# Altium PCB PCB2.PcbDoc (part 2 of 16) (continued)
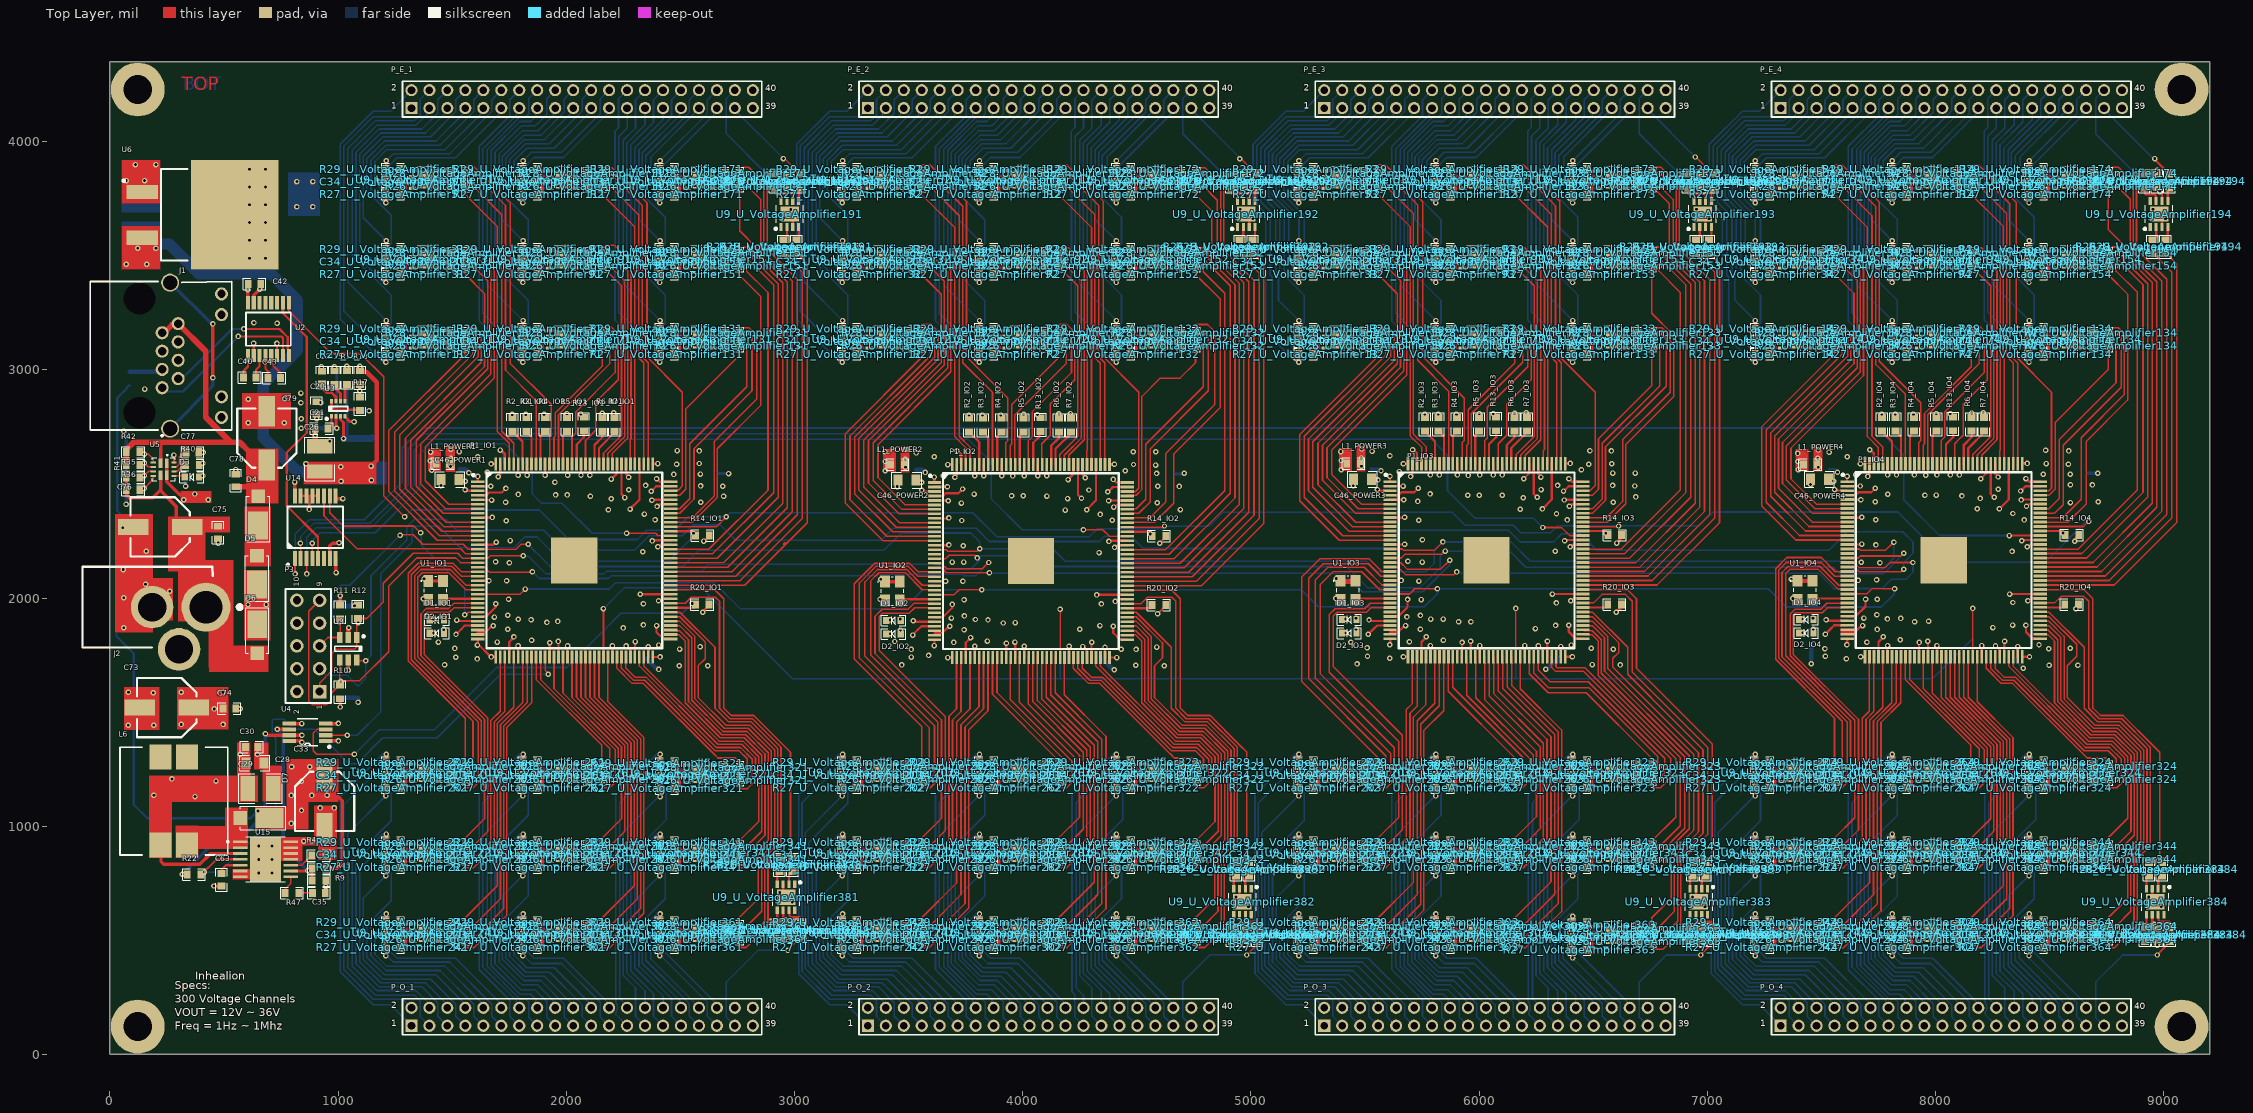
[diagram p0: Top Layer view]
## Classes and differential pairs (continued)
component class Power_ORing: C73 C74 C75 C76 C77 C78 C79 D3 D4 D5 D6 J2 R35 R36 R37 R38 R39 R40 R41 R42 R43 R44 U5
channel class VoltageAmplifier: U_VoltageAmplifier11 U_VoltageAmplifier12 U_VoltageAmplifier13 U_VoltageAmplifier14 U_VoltageAmplifier21 U_VoltageAmplifier22 U_VoltageAmplifier23 U_VoltageAmplifier24 U_VoltageAmplifier31 U_VoltageAmplifier32 U_VoltageAmplifier33 U_VoltageAmplifier34 U_VoltageAmplifier41 U_VoltageAmplifier42 U_VoltageAmplifier43 U_VoltageAmplifier44 U_VoltageAmplifier51 U_VoltageAmplifier52 U_VoltageAmplifier53 U_VoltageAmplifier54 U_VoltageAmplifier61 U_VoltageAmplifier62 U_VoltageAmplifier63 U_VoltageAmplifier64 U_VoltageAmplifier71 U_VoltageAmplifier72 U_VoltageAmplifier73 U_VoltageAmplifier74 U_VoltageAmplifier81 U_VoltageAmplifier82 U_VoltageAmplifier83 U_VoltageAmplifier84 U_VoltageAmplifier91 U_VoltageAmplifier92 U_VoltageAmplifier93 U_VoltageAmplifier94 U_VoltageAmplifier101 U_VoltageAmplifier102 U_VoltageAmplifier103 U_VoltageAmplifier104 U_VoltageAmplifier111 U_VoltageAmplifier112 U_VoltageAmplifier113 U_VoltageAmplifier114 U_VoltageAmplifier121 U_VoltageAmplifier122 U_VoltageAmplifier123 U_VoltageAmplifier124 U_VoltageAmplifier131 U_VoltageAmplifier132 U_VoltageAmplifier133 U_VoltageAmplifier134 U_VoltageAmplifier141 U_VoltageAmplifier142 U_VoltageAmplifier143 U_VoltageAmplifier144 U_VoltageAmplifier151 U_VoltageAmplifier152 U_VoltageAmplifier153 U_VoltageAmplifier154 U_VoltageAmplifier161 U_VoltageAmplifier162 U_VoltageAmplifier163 U_VoltageAmplifier164 U_VoltageAmplifier171 U_VoltageAmplifier172 U_VoltageAmplifier173 U_VoltageAmplifier174 U_VoltageAmplifier181 U_VoltageAmplifier182 U_VoltageAmplifier183 U_VoltageAmplifier184 U_VoltageAmplifier191 U_VoltageAmplifier192 U_VoltageAmplifier193 U_VoltageAmplifier194 U_VoltageAmplifier201 U_VoltageAmplifier202 U_VoltageAmplifier203 U_VoltageAmplifier204 U_VoltageAmplifier211 U_VoltageAmplifier212 U_VoltageAmplifier213 U_VoltageAmplifier214 U_VoltageAmplifier221 U_VoltageAmplifier222 U_VoltageAmplifier223 U_VoltageAmplifier224 U_VoltageAmplifier231 U_VoltageAmplifier232 U_VoltageAmplifier233 U_VoltageAmplifier234 U_VoltageAmplifier241 U_VoltageAmplifier242 U_VoltageAmplifier243 U_VoltageAmplifier244 U_VoltageAmplifier251 U_VoltageAmplifier252 U_VoltageAmplifier253 U_VoltageAmplifier254 U_VoltageAmplifier261 U_VoltageAmplifier262 U_VoltageAmplifier263 U_VoltageAmplifier264 U_VoltageAmplifier271 U_VoltageAmplifier272 U_VoltageAmplifier273 U_VoltageAmplifier274 U_VoltageAmplifier281 U_VoltageAmplifier282 U_VoltageAmplifier283 U_VoltageAmplifier284 U_VoltageAmplifier291 U_VoltageAmplifier292 U_VoltageAmplifier293 U_VoltageAmplifier294 U_VoltageAmplifier301 U_VoltageAmplifier302 U_VoltageAmplifier303 U_VoltageAmplifier304 U_VoltageAmplifier311 U_VoltageAmplifier312 U_VoltageAmplifier313 U_VoltageAmplifier314 U_VoltageAmplifier321 U_VoltageAmplifier322 U_VoltageAmplifier323 U_VoltageAmplifier324 U_VoltageAmplifier331 U_VoltageAmplifier332 U_VoltageAmplifier333 U_VoltageAmplifier334 U_VoltageAmplifier341 U_VoltageAmplifier342 U_VoltageAmplifier343 U_VoltageAmplifier344 U_VoltageAmplifier351 U_VoltageAmplifier352 U_VoltageAmplifier353 U_VoltageAmplifier354 U_VoltageAmplifier361 U_VoltageAmplifier362 U_VoltageAmplifier363 U_VoltageAmplifier364 U_VoltageAmplifier371 U_VoltageAmplifier372 U_VoltageAmplifier373 U_VoltageAmplifier374 U_VoltageAmplifier381 U_VoltageAmplifier382 U_VoltageAmplifier383 U_VoltageAmplifier384
channel class FPGA_POWER: POWER1 POWER2 POWER3 POWER4
channel class FPGA_IO: IO1 IO2 IO3 IO4
component class U_VoltageHeaders: P_E_1 P_E_2 P_E_3 P_E_4 P_O_1 P_O_2 P_O_3 P_O_4
component class U_POWER_VOLTAGE: C8 C14 C18 C19 C20 C21 C22 C25 C26 C27 C28 C29 C30 C31 C32 C33 C35 C63 D7 L4 L6 R9 R15 R16 R17 R18 R19 R22 R45 R46 R47 R48 R49 U3 U4 U6 U15
component class TOP_VOLTAGE: C36 C37 C38 C39 C40 C41 C42 C43 C44 J1 P3 R10 R11 R12 R23 R24 R25 R30 R31 R32 R33 R34 U2 U8 U14
component class POWER4: C2_POWER4 C3_POWER4 C4_POWER4 C5_POWER4 C6_POWER4 C7_POWER4 C9_POWER4 C10_POWER4 C11_POWER4 C12_POWER4 C13_POWER4 C15_POWER4 C16_POWER4 C17_POWER4 C23_POWER4 C24_POWER4 C45_POWER4 C46_POWER4 C47_POWER4 C48_POWER4 C49_POWER4 C51_POWER4 C52_POWER4 C53_POWER4 C54_POWER4 C55_POWER4 C56_POWER4 C57_POWER4 C58_POWER4 C59_POWER4 C60_POWER4 C61_POWER4 C62_POWER4 C64_POWER4 C65_POWER4 C66_POWER4 C67_POWER4 C68_POWER4 C69_POWER4 C70_POWER4 C71_POWER4 C72_POWER4 L1_POWER4 L3_POWER4
component class POWER3: C2_POWER3 C3_POWER3 C4_POWER3 C5_POWER3 C6_POWER3 C7_POWER3 C9_POWER3 C10_POWER3 C11_POWER3 C12_POWER3 C13_POWER3 C15_POWER3 C16_POWER3 C17_POWER3 C23_POWER3 C24_POWER3 C45_POWER3 C46_POWER3 C47_POWER3 C48_POWER3 C49_POWER3 C51_POWER3 C52_POWER3 C53_POWER3 C54_POWER3 C55_POWER3 C56_POWER3 C57_POWER3 C58_POWER3 C59_POWER3 C60_POWER3 C61_POWER3 C62_POWER3 C64_POWER3 C65_POWER3 C66_POWER3 C67_POWER3 C68_POWER3 C69_POWER3 C70_POWER3 C71_POWER3 C72_POWER3 L1_POWER3 L3_POWER3
component class POWER2: C2_POWER2 C3_POWER2 C4_POWER2 C5_POWER2 C6_POWER2 C7_POWER2 C9_POWER2 C10_POWER2 C11_POWER2 C12_POWER2 C13_POWER2 C15_POWER2 C16_POWER2 C17_POWER2 C23_POWER2 C24_POWER2 C45_POWER2 C46_POWER2 C47_POWER2 C48_POWER2 C49_POWER2 C51_POWER2 C52_POWER2 C53_POWER2 C54_POWER2 C55_POWER2 C56_POWER2 C57_POWER2 C58_POWER2 C59_POWER2 C60_POWER2 C61_POWER2 C62_POWER2 C64_POWER2 C65_POWER2 C66_POWER2 C67_POWER2 C68_POWER2 C69_POWER2 C70_POWER2 C71_POWER2 C72_POWER2 L1_POWER2 L3_POWER2
component class POWER1: C2_POWER1 C3_POWER1 C4_POWER1 C5_POWER1 C6_POWER1 C7_POWER1 C9_POWER1 C10_POWER1 C11_POWER1 C12_POWER1 C13_POWER1 C15_POWER1 C16_POWER1 C17_POWER1 C23_POWER1 C24_POWER1 C45_POWER1 C46_POWER1 C47_POWER1 C48_POWER1 C49_POWER1 C51_POWER1 C52_POWER1 C53_POWER1 C54_POWER1 C55_POWER1 C56_POWER1 C57_POWER1 C58_POWER1 C59_POWER1 C60_POWER1 C61_POWER1 C62_POWER1 C64_POWER1 C65_POWER1 C66_POWER1 C67_POWER1 C68_POWER1 C69_POWER1 C70_POWER1 C71_POWER1 C72_POWER1 L1_POWER1 L3_POWER1
component class IO4: C1_IO4 D1_IO4 D2_IO4 P1_IO4 R1_IO4 R2_IO4 R3_IO4 R4_IO4 R5_IO4 R6_IO4 R7_IO4 R8_IO4 R13_IO4 R14_IO4 R20_IO4 R21_IO4 U1_IO4
component class IO3: C1_IO3 D1_IO3 D2_IO3 P1_IO3 R1_IO3 R2_IO3 R3_IO3 R4_IO3 R5_IO3 R6_IO3 R7_IO3 R8_IO3 R13_IO3 R14_IO3 R20_IO3 R21_IO3 U1_IO3
component class IO2: C1_IO2 D1_IO2 D2_IO2 P1_IO2 R1_IO2 R2_IO2 R3_IO2 R4_IO2 R5_IO2 R6_IO2 R7_IO2 R8_IO2 R13_IO2 R14_IO2 R20_IO2 R21_IO2 U1_IO2
component class IO1: C1_IO1 D1_IO1 D2_IO1 P1_IO1 R1_IO1 R2_IO1 R3_IO1 R4_IO1 R5_IO1 R6_IO1 R7_IO1 R8_IO1 R13_IO1 R14_IO1 R20_IO1 R21_IO1 U1_IO1

## Components (designator, comment, footprint, x,y, rotation, side; value= is the part's Value field where it differs from the comment)
C1_IO1 "0.1uF/16V" 0603C 1371.46,2039.85 r90 bottom (schematic designator C1)
C1_IO2 "0.1uF/16V" 0603C 3372.56,2037.25 r90 bottom (schematic designator C1)
C1_IO3 "0.1uF/16V" 0603C 5369.46,2040.7 r90 bottom (schematic designator C1)
C1_IO4 "0.1uF/16V" 0603C 7372.46,2040.85 r90 bottom (schematic designator C1)
C2_POWER1 "0.01uF/16V" 0603C 1504.46,2564.29 r0 bottom (schematic designator C2)
C2_POWER2 "0.01uF/16V" 0603C 3505.56,2561.69 r0 bottom (schematic designator C2)
C2_POWER3 "0.01uF/16V" 0603C 5502.46,2565.14 r0 bottom (schematic designator C2)
C2_POWER4 "0.01uF/16V" 0603C 7505.46,2565.29 r0 bottom (schematic designator C2)
C3_POWER1 "0.01uF/16V" 0603C 2274.46,2520.85 r270 bottom (schematic designator C3)
C3_POWER2 "0.01uF/16V" 0603C 4275.56,2518.25 r270 bottom (schematic designator C3)
C3_POWER3 "0.01uF/16V" 0603C 6272.46,2521.7 r270 bottom (schematic designator C3)
C3_POWER4 "0.01uF/16V" 0603C 8275.46,2521.85 r270 bottom (schematic designator C3)
C4_POWER1 "0.1uF/16V" 0603C 2530.46,2644.29 r0 bottom (schematic designator C4)
C4_POWER2 "0.1uF/16V" 0603C 4531.56,2641.69 r0 bottom (schematic designator C4)
C4_POWER3 "0.1uF/16V" 0603C 6528.46,2645.14 r0 bottom (schematic designator C4)
C4_POWER4 "0.1uF/16V" 0603C 8531.46,2645.29 r0 bottom (schematic designator C4)
C5_POWER1 "0.1uF/16V" 0603C 1504.46,2619.29 r0 bottom (schematic designator C5)
C5_POWER2 "0.1uF/16V" 0603C 3505.56,2616.69 r0 bottom (schematic designator C5)
C5_POWER3 "0.1uF/16V" 0603C 5502.46,2620.14 r0 bottom (schematic designator C5)
C5_POWER4 "0.1uF/16V" 0603C 7505.46,2620.29 r0 bottom (schematic designator C5)
C6_POWER1 "0.1uF/16V" 0603C 1639.46,2599.29 r180 bottom (schematic designator C6)
C6_POWER2 "0.1uF/16V" 0603C 3640.56,2596.69 r180 bottom (schematic designator C6)
C6_POWER3 "0.1uF/16V" 0603C 5637.46,2600.14 r180 bottom (schematic designator C6)
C6_POWER4 "0.1uF/16V" 0603C 7640.46,2600.29 r180 bottom (schematic designator C6)
C7_POWER1 "0.47uF/16V" 0603C 2543.46,1777.29 r180 bottom (schematic designator C7)
C7_POWER2 "0.47uF/16V" 0603C 4544.56,1774.69 r180 bottom (schematic designator C7)
C7_POWER3 "0.47uF/16V" 0603C 6541.46,1778.14 r180 bottom (schematic designator C7)
C7_POWER4 "0.47uF/16V" 0603C 8544.46,1778.29 r180 bottom (schematic designator C7)
C8 "22uF/25V" 1210C 131.57,3669.37 r270 bottom
C9_POWER1 "0.1uF/16V" 0603C 1724.28,2566.97 r90 bottom (schematic designator C9)
C9_POWER2 "0.1uF/16V" 0603C 3725.38,2564.37 r90 bottom (schematic designator C9)
C9_POWER3 "0.1uF/16V" 0603C 5722.28,2567.82 r90 bottom (schematic designator C9)
C9_POWER4 "0.1uF/16V" 0603C 7725.28,2567.97 r90 bottom (schematic designator C9)
C10_POWER1 "10uF/25V" 0805C 2558.46,1704.29 r0 bottom (schematic designator C10)
C10_POWER2 "10uF/25V" 0805C 4559.56,1701.69 r0 bottom (schematic designator C10)
C10_POWER3 "10uF/25V" 0805C 6556.46,1705.14 r0 bottom (schematic designator C10)
C10_POWER4 "10uF/25V" 0805C 8559.46,1705.29 r0 bottom (schematic designator C10)
C11_POWER1 "22uF/10V" 0603C 2530.46,2586.29 r180 bottom (schematic designator C11)
C11_POWER2 "22uF/10V" 0603C 4531.56,2583.69 r180 bottom (schematic designator C11)
C11_POWER3 "22uF/10V" 0603C 6528.46,2587.14 r180 bottom (schematic designator C11)
C11_POWER4 "22uF/10V" 0603C 8531.46,2587.29 r180 bottom (schematic designator C11)
C12_POWER1 "0.1uF/16V" 0603C 1638.46,2537.29 r0 bottom (schematic designator C12)
C12_POWER2 "0.1uF/16V" 0603C 3639.56,2534.69 r0 bottom (schematic designator C12)
C12_POWER3 "0.1uF/16V" 0603C 5636.46,2538.14 r0 bottom (schematic designator C12)
C12_POWER4 "0.1uF/16V" 0603C 7639.46,2538.29 r0 bottom (schematic designator C12)
C13_POWER1 "0.1uF/16V" 0603C 1610.46,1778.29 r270 bottom (schematic designator C13)
C13_POWER2 "0.1uF/16V" 0603C 3611.56,1775.69 r270 bottom (schematic designator C13)
C13_POWER3 "0.1uF/16V" 0603C 5608.46,1779.14 r270 bottom (schematic designator C13)
C13_POWER4 "0.1uF/16V" 0603C 7611.46,1779.29 r270 bottom (schematic designator C13)
C14 "22uF/25V" 1210C 764.57,3765.12 r180 bottom
C15_POWER1 "0.1uF/16V" 0603C 2411.46,2369.29 r270 bottom (schematic designator C15)
C15_POWER2 "0.1uF/16V" 0603C 4412.56,2366.69 r270 bottom (schematic designator C15)
C15_POWER3 "0.1uF/16V" 0603C 6409.46,2370.14 r270 bottom (schematic designator C15)
C15_POWER4 "0.1uF/16V" 0603C 8412.46,2370.29 r270 bottom (schematic designator C15)
C16_POWER1 "0.1uF/16V" 0603C 1699.46,1995.29 r0 bottom (schematic designator C16)
C16_POWER2 "0.1uF/16V" 0603C 3700.56,1992.69 r0 bottom (schematic designator C16)
C16_POWER3 "0.1uF/16V" 0603C 5697.46,1996.14 r0 bottom (schematic designator C16)
C16_POWER4 "0.1uF/16V" 0603C 7700.46,1996.29 r0 bottom (schematic designator C16)
C17_POWER1 "0.1uF/16V" 0603C 1676.46,1779.29 r90 bottom (schematic designator C17)
C17_POWER2 "0.1uF/16V" 0603C 3677.56,1776.69 r90 bottom (schematic designator C17)
C17_POWER3 "0.1uF/16V" 0603C 5674.46,1780.14 r90 bottom (schematic designator C17)
C17_POWER4 "0.1uF/16V" 0603C 7677.46,1780.29 r90 bottom (schematic designator C17)
C18 "1uF/16V" 0603C 1039.26,2965.99 r90 bottom
C19 "22uF/25V" 1210C 879.46,2821.19 r270 bottom
C20 "0.1uF/50V" 0603C 904.96,2832.79 r270 top
C21 "1nF/63V" 0603C 927.52,2743.19 r0 top
C22 "6.8nF/50V" 0603C 928.77,2965.99 r270 top
C23_POWER1 "0.1uF/16V" 0603C 1966.46,1849.29 r90 bottom (schematic designator C23)
C23_POWER2 "0.1uF/16V" 0603C 3967.56,1846.69 r90 bottom (schematic designator C23)
C23_POWER3 "0.1uF/16V" 0603C 5964.46,1850.14 r90 bottom (schematic designator C23)
C23_POWER4 "0.1uF/16V" 0603C 7967.46,1850.29 r90 bottom (schematic designator C23)
C24_POWER1 "0.1uF/16V" 0603C 2428.46,1766.73 r90 bottom (schematic designator C24)
C24_POWER2 "0.1uF/16V" 0603C 4429.56,1764.13 r90 bottom (schematic designator C24)
C24_POWER3 "0.1uF/16V" 0603C 6426.46,1767.58 r90 bottom (schematic designator C24)
C24_POWER4 "0.1uF/16V" 0603C 8429.46,1767.73 r90 bottom (schematic designator C24)
C25 "10pF/50V" 0603C 1095.16,2965.69 r270 bottom
C26 "22uF/25V" 1210C 919.56,2609.27 r270 top
C27 "22uF/25V" 1210C 919.56,2609.27 r270 bottom
C28 "10uF/25V" 0805C 634.76,1276.99 r180 top
C29 "22uF/25V" 1210C 659.76,1164.99 r180 top
C30 "0.1uF/50V" 0603C 621.32,1346.99 r180 top
C31 "0.1uF/50V" 0603C 969.76,1103.99 r90 bottom
C32 "2.2uF/50V" 0603C 906.98,1103.99 r90 bottom
C33 "10uF/63V" EEE-FN1J100L 940.76,1108.99 r270 top
C34_U_VoltageAmplifier11 "0.1uF/50V" 0603C 1240.09,3124.18 r180 top (schematic designator C34)
C34_U_VoltageAmplifier12 "0.1uF/50V" 0603C 3240.09,3124.18 r180 top (schematic designator C34)
C34_U_VoltageAmplifier13 "0.1uF/50V" 0603C 5240.09,3124.18 r180 top (schematic designator C34)
C34_U_VoltageAmplifier14 "0.1uF/50V" 0603C 7240.09,3124.18 r180 top (schematic designator C34)
C34_U_VoltageAmplifier21 "0.1uF/50V" 0603C 1240.09,3124.18 r180 bottom (schematic designator C34)
C34_U_VoltageAmplifier22 "0.1uF/50V" 0603C 3240.09,3124.18 r180 bottom (schematic designator C34)
C34_U_VoltageAmplifier23 "0.1uF/50V" 0603C 5240.09,3124.18 r180 bottom (schematic designator C34)
C34_U_VoltageAmplifier24 "0.1uF/50V" 0603C 7240.09,3124.18 r180 bottom (schematic designator C34)
C34_U_VoltageAmplifier31 "0.1uF/50V" 0603C 1240.09,3474.18 r180 top (schematic designator C34)
C34_U_VoltageAmplifier32 "0.1uF/50V" 0603C 3240.09,3474.18 r180 top (schematic designator C34)
C34_U_VoltageAmplifier33 "0.1uF/50V" 0603C 5240.09,3474.18 r180 top (schematic designator C34)
C34_U_VoltageAmplifier34 "0.1uF/50V" 0603C 7240.09,3474.18 r180 top (schematic designator C34)
C34_U_VoltageAmplifier41 "0.1uF/50V" 0603C 1240.09,3474.18 r180 bottom (schematic designator C34)
C34_U_VoltageAmplifier42 "0.1uF/50V" 0603C 3240.09,3474.18 r180 bottom (schematic designator C34)
C34_U_VoltageAmplifier43 "0.1uF/50V" 0603C 5240.09,3474.18 r180 bottom (schematic designator C34)
C34_U_VoltageAmplifier44 "0.1uF/50V" 0603C 7240.09,3474.18 r180 bottom (schematic designator C34)
C34_U_VoltageAmplifier51 "0.1uF/50V" 0603C 1240.09,3824.18 r180 top (schematic designator C34)
C34_U_VoltageAmplifier52 "0.1uF/50V" 0603C 3240.09,3824.18 r180 top (schematic designator C34)
C34_U_VoltageAmplifier53 "0.1uF/50V" 0603C 5240.09,3824.18 r180 top (schematic designator C34)
C34_U_VoltageAmplifier54 "0.1uF/50V" 0603C 7240.09,3824.18 r180 top (schematic designator C34)
C34_U_VoltageAmplifier61 "0.1uF/50V" 0603C 1240.09,3824.18 r180 bottom (schematic designator C34)
C34_U_VoltageAmplifier62 "0.1uF/50V" 0603C 3240.09,3824.18 r180 bottom (schematic designator C34)
C34_U_VoltageAmplifier63 "0.1uF/50V" 0603C 5240.09,3824.18 r180 bottom (schematic designator C34)
C34_U_VoltageAmplifier64 "0.1uF/50V" 0603C 7240.09,3824.18 r180 bottom (schematic designator C34)
C34_U_VoltageAmplifier71 "0.1uF/50V" 0603C 1840.09,3124.18 r180 top (schematic designator C34)
C34_U_VoltageAmplifier72 "0.1uF/50V" 0603C 3840.09,3124.18 r180 top (schematic designator C34)
C34_U_VoltageAmplifier73 "0.1uF/50V" 0603C 5840.09,3124.18 r180 top (schematic designator C34)
C34_U_VoltageAmplifier74 "0.1uF/50V" 0603C 7840.09,3124.18 r180 top (schematic designator C34)
C34_U_VoltageAmplifier81 "0.1uF/50V" 0603C 1840.09,3124.18 r180 bottom (schematic designator C34)
C34_U_VoltageAmplifier82 "0.1uF/50V" 0603C 3840.09,3124.18 r180 bottom (schematic designator C34)
C34_U_VoltageAmplifier83 "0.1uF/50V" 0603C 5840.09,3124.18 r180 bottom (schematic designator C34)
C34_U_VoltageAmplifier84 "0.1uF/50V" 0603C 7840.09,3124.18 r180 bottom (schematic designator C34)
C34_U_VoltageAmplifier91 "0.1uF/50V" 0603C 1840.09,3474.18 r180 top (schematic designator C34)
C34_U_VoltageAmplifier92 "0.1uF/50V" 0603C 3840.09,3474.18 r180 top (schematic designator C34)
C34_U_VoltageAmplifier93 "0.1uF/50V" 0603C 5840.09,3474.18 r180 top (schematic designator C34)
C34_U_VoltageAmplifier94 "0.1uF/50V" 0603C 7840.09,3474.18 r180 top (schematic designator C34)
C34_U_VoltageAmplifier101 "0.1uF/50V" 0603C 1840.09,3474.18 r180 bottom (schematic designator C34)
C34_U_VoltageAmplifier102 "0.1uF/50V" 0603C 3840.09,3474.18 r180 bottom (schematic designator C34)
C34_U_VoltageAmplifier103 "0.1uF/50V" 0603C 5840.09,3474.18 r180 bottom (schematic designator C34)
C34_U_VoltageAmplifier104 "0.1uF/50V" 0603C 7840.09,3474.18 r180 bottom (schematic designator C34)
C34_U_VoltageAmplifier111 "0.1uF/50V" 0603C 1840.09,3824.18 r180 top (schematic designator C34)
C34_U_VoltageAmplifier112 "0.1uF/50V" 0603C 3840.09,3824.18 r180 top (schematic designator C34)
C34_U_VoltageAmplifier113 "0.1uF/50V" 0603C 5840.09,3824.18 r180 top (schematic designator C34)
C34_U_VoltageAmplifier114 "0.1uF/50V" 0603C 7840.09,3824.18 r180 top (schematic designator C34)
C34_U_VoltageAmplifier121 "0.1uF/50V" 0603C 1840.09,3824.18 r180 bottom (schematic designator C34)
C34_U_VoltageAmplifier122 "0.1uF/50V" 0603C 3840.09,3824.18 r180 bottom (schematic designator C34)
C34_U_VoltageAmplifier123 "0.1uF/50V" 0603C 5840.09,3824.18 r180 bottom (schematic designator C34)
C34_U_VoltageAmplifier124 "0.1uF/50V" 0603C 7840.09,3824.18 r180 bottom (schematic designator C34)
C34_U_VoltageAmplifier131 "0.1uF/50V" 0603C 2440.09,3124.18 r180 top (schematic designator C34)
C34_U_VoltageAmplifier132 "0.1uF/50V" 0603C 4440.09,3124.18 r180 top (schematic designator C34)
C34_U_VoltageAmplifier133 "0.1uF/50V" 0603C 6440.09,3124.18 r180 top (schematic designator C34)
C34_U_VoltageAmplifier134 "0.1uF/50V" 0603C 8440.09,3124.18 r180 top (schematic designator C34)
C34_U_VoltageAmplifier141 "0.1uF/50V" 0603C 2440.09,3124.18 r180 bottom (schematic designator C34)
C34_U_VoltageAmplifier142 "0.1uF/50V" 0603C 4440.09,3124.18 r180 bottom (schematic designator C34)
C34_U_VoltageAmplifier143 "0.1uF/50V" 0603C 6440.09,3124.18 r180 bottom (schematic designator C34)
C34_U_VoltageAmplifier144 "0.1uF/50V" 0603C 8440.09,3124.18 r180 bottom (schematic designator C34)
C34_U_VoltageAmplifier151 "0.1uF/50V" 0603C 2440.09,3474.18 r180 top (schematic designator C34)
C34_U_VoltageAmplifier152 "0.1uF/50V" 0603C 4440.09,3474.18 r180 top (schematic designator C34)
C34_U_VoltageAmplifier153 "0.1uF/50V" 0603C 6440.09,3474.18 r180 top (schematic designator C34)
C34_U_VoltageAmplifier154 "0.1uF/50V" 0603C 8440.09,3474.18 r180 top (schematic designator C34)
C34_U_VoltageAmplifier161 "0.1uF/50V" 0603C 2440.09,3474.18 r180 bottom (schematic designator C34)
C34_U_VoltageAmplifier162 "0.1uF/50V" 0603C 4440.09,3474.18 r180 bottom (schematic designator C34)
C34_U_VoltageAmplifier163 "0.1uF/50V" 0603C 6440.09,3474.18 r180 bottom (schematic designator C34)
C34_U_VoltageAmplifier164 "0.1uF/50V" 0603C 8440.09,3474.18 r180 bottom (schematic designator C34)
C34_U_VoltageAmplifier171 "0.1uF/50V" 0603C 2440.09,3824.18 r180 top (schematic designator C34)
C34_U_VoltageAmplifier172 "0.1uF/50V" 0603C 4440.09,3824.18 r180 top (schematic designator C34)
C34_U_VoltageAmplifier173 "0.1uF/50V" 0603C 6440.09,3824.18 r180 top (schematic designator C34)
C34_U_VoltageAmplifier174 "0.1uF/50V" 0603C 8440.09,3824.18 r180 top (schematic designator C34)
C34_U_VoltageAmplifier181 "0.1uF/50V" 0603C 2440.09,3824.18 r180 bottom (schematic designator C34)
C34_U_VoltageAmplifier182 "0.1uF/50V" 0603C 4440.09,3824.18 r180 bottom (schematic designator C34)
C34_U_VoltageAmplifier183 "0.1uF/50V" 0603C 6440.09,3824.18 r180 bottom (schematic designator C34)
C34_U_VoltageAmplifier184 "0.1uF/50V" 0603C 8440.09,3824.18 r180 bottom (schematic designator C34)
C34_U_VoltageAmplifier191 "0.1uF/50V" 0603C 2969.85,3826.76 r90 top (schematic designator C34)
C34_U_VoltageAmplifier192 "0.1uF/50V" 0603C 4969.85,3826.76 r90 top (schematic designator C34)
C34_U_VoltageAmplifier193 "0.1uF/50V" 0603C 6969.85,3826.76 r90 top (schematic designator C34)
C34_U_VoltageAmplifier194 "0.1uF/50V" 0603C 8969.85,3826.76 r90 top (schematic designator C34)
C34_U_VoltageAmplifier201 "0.1uF/50V" 0603C 1240.09,1224.18 r180 top (schematic designator C34)
C34_U_VoltageAmplifier202 "0.1uF/50V" 0603C 3240.09,1224.18 r180 top (schematic designator C34)
C34_U_VoltageAmplifier203 "0.1uF/50V" 0603C 5240.09,1224.18 r180 top (schematic designator C34)
C34_U_VoltageAmplifier204 "0.1uF/50V" 0603C 7240.09,1224.18 r180 top (schematic designator C34)
C34_U_VoltageAmplifier211 "0.1uF/50V" 0603C 1240.09,1224.18 r180 bottom (schematic designator C34)
C34_U_VoltageAmplifier212 "0.1uF/50V" 0603C 3240.09,1224.18 r180 bottom (schematic designator C34)
C34_U_VoltageAmplifier213 "0.1uF/50V" 0603C 5240.09,1224.18 r180 bottom (schematic designator C34)
C34_U_VoltageAmplifier214 "0.1uF/50V" 0603C 7240.09,1224.18 r180 bottom (schematic designator C34)
C34_U_VoltageAmplifier221 "0.1uF/50V" 0603C 1240.09,874.18 r180 top (schematic designator C34)
C34_U_VoltageAmplifier222 "0.1uF/50V" 0603C 3240.09,874.18 r180 top (schematic designator C34)
C34_U_VoltageAmplifier223 "0.1uF/50V" 0603C 5240.09,874.18 r180 top (schematic designator C34)
C34_U_VoltageAmplifier224 "0.1uF/50V" 0603C 7240.09,874.18 r180 top (schematic designator C34)
C34_U_VoltageAmplifier231 "0.1uF/50V" 0603C 1240.09,874.18 r180 bottom (schematic designator C34)
C34_U_VoltageAmplifier232 "0.1uF/50V" 0603C 3240.09,874.18 r180 bottom (schematic designator C34)
C34_U_VoltageAmplifier233 "0.1uF/50V" 0603C 5240.09,874.18 r180 bottom (schematic designator C34)
C34_U_VoltageAmplifier234 "0.1uF/50V" 0603C 7240.09,874.18 r180 bottom (schematic designator C34)
C34_U_VoltageAmplifier241 "0.1uF/50V" 0603C 1240.09,524.18 r180 top (schematic designator C34)
C34_U_VoltageAmplifier242 "0.1uF/50V" 0603C 3240.09,524.18 r180 top (schematic designator C34)
C34_U_VoltageAmplifier243 "0.1uF/50V" 0603C 5240.09,524.18 r180 top (schematic designator C34)
C34_U_VoltageAmplifier244 "0.1uF/50V" 0603C 7240.09,524.18 r180 top (schematic designator C34)
C34_U_VoltageAmplifier251 "0.1uF/50V" 0603C 1240.09,524.18 r180 bottom (schematic designator C34)
C34_U_VoltageAmplifier252 "0.1uF/50V" 0603C 3240.09,524.18 r180 bottom (schematic designator C34)
C34_U_VoltageAmplifier253 "0.1uF/50V" 0603C 5240.09,524.18 r180 bottom (schematic designator C34)
C34_U_VoltageAmplifier254 "0.1uF/50V" 0603C 7240.09,524.18 r180 bottom (schematic designator C34)
C34_U_VoltageAmplifier261 "0.1uF/50V" 0603C 1840.09,1224.18 r180 top (schematic designator C34)
C34_U_VoltageAmplifier262 "0.1uF/50V" 0603C 3840.09,1224.18 r180 top (schematic designator C34)
C34_U_VoltageAmplifier263 "0.1uF/50V" 0603C 5840.09,1224.18 r180 top (schematic designator C34)
C34_U_VoltageAmplifier264 "0.1uF/50V" 0603C 7840.09,1224.18 r180 top (schematic designator C34)
C34_U_VoltageAmplifier271 "0.1uF/50V" 0603C 1840.09,1224.18 r180 bottom (schematic designator C34)
C34_U_VoltageAmplifier272 "0.1uF/50V" 0603C 3840.09,1224.18 r180 bottom (schematic designator C34)
C34_U_VoltageAmplifier273 "0.1uF/50V" 0603C 5840.09,1224.18 r180 bottom (schematic designator C34)
C34_U_VoltageAmplifier274 "0.1uF/50V" 0603C 7840.09,1224.18 r180 bottom (schematic designator C34)
C34_U_VoltageAmplifier281 "0.1uF/50V" 0603C 1840.09,874.18 r180 top (schematic designator C34)
C34_U_VoltageAmplifier282 "0.1uF/50V" 0603C 3840.09,874.18 r180 top (schematic designator C34)
C34_U_VoltageAmplifier283 "0.1uF/50V" 0603C 5840.09,874.18 r180 top (schematic designator C34)
C34_U_VoltageAmplifier284 "0.1uF/50V" 0603C 7840.09,874.18 r180 top (schematic designator C34)
C34_U_VoltageAmplifier291 "0.1uF/50V" 0603C 1840.09,874.18 r180 bottom (schematic designator C34)
C34_U_VoltageAmplifier292 "0.1uF/50V" 0603C 3840.09,874.18 r180 bottom (schematic designator C34)
C34_U_VoltageAmplifier293 "0.1uF/50V" 0603C 5840.09,874.18 r180 bottom (schematic designator C34)
C34_U_VoltageAmplifier294 "0.1uF/50V" 0603C 7840.09,874.18 r180 bottom (schematic designator C34)
C34_U_VoltageAmplifier301 "0.1uF/50V" 0603C 1840.09,524.18 r180 top (schematic designator C34)
C34_U_VoltageAmplifier302 "0.1uF/50V" 0603C 3840.09,524.18 r180 top (schematic designator C34)
C34_U_VoltageAmplifier303 "0.1uF/50V" 0603C 5840.09,524.18 r180 top (schematic designator C34)
C34_U_VoltageAmplifier304 "0.1uF/50V" 0603C 7840.09,524.18 r180 top (schematic designator C34)
C34_U_VoltageAmplifier311 "0.1uF/50V" 0603C 1840.09,524.18 r180 bottom (schematic designator C34)
C34_U_VoltageAmplifier312 "0.1uF/50V" 0603C 3840.09,524.18 r180 bottom (schematic designator C34)
C34_U_VoltageAmplifier313 "0.1uF/50V" 0603C 5840.09,524.18 r180 bottom (schematic designator C34)
C34_U_VoltageAmplifier314 "0.1uF/50V" 0603C 7840.09,524.18 r180 bottom (schematic designator C34)
C34_U_VoltageAmplifier321 "0.1uF/50V" 0603C 2441.26,1220.59 r180 top (schematic designator C34)
C34_U_VoltageAmplifier322 "0.1uF/50V" 0603C 4440.09,1224.18 r180 top (schematic designator C34)
C34_U_VoltageAmplifier323 "0.1uF/50V" 0603C 6440.09,1224.18 r180 top (schematic designator C34)
C34_U_VoltageAmplifier324 "0.1uF/50V" 0603C 8440.09,1224.18 r180 top (schematic designator C34)
C34_U_VoltageAmplifier331 "0.1uF/50V" 0603C 2441.26,1220.59 r180 bottom (schematic designator C34)
C34_U_VoltageAmplifier332 "0.1uF/50V" 0603C 4440.09,1224.18 r180 bottom (schematic designator C34)
C34_U_VoltageAmplifier333 "0.1uF/50V" 0603C 6440.09,1224.18 r180 bottom (schematic designator C34)
C34_U_VoltageAmplifier334 "0.1uF/50V" 0603C 8440.09,1224.18 r180 bottom (schematic designator C34)
C34_U_VoltageAmplifier341 "0.1uF/50V" 0603C 2440.09,874.18 r180 top (schematic designator C34)
C34_U_VoltageAmplifier342 "0.1uF/50V" 0603C 4440.09,874.18 r180 top (schematic designator C34)
C34_U_VoltageAmplifier343 "0.1uF/50V" 0603C 6440.09,874.18 r180 top (schematic designator C34)
C34_U_VoltageAmplifier344 "0.1uF/50V" 0603C 8440.09,874.18 r180 top (schematic designator C34)